# Altium PCB WeatherMonitor.PcbDoc (part 1 of 2) (continued)
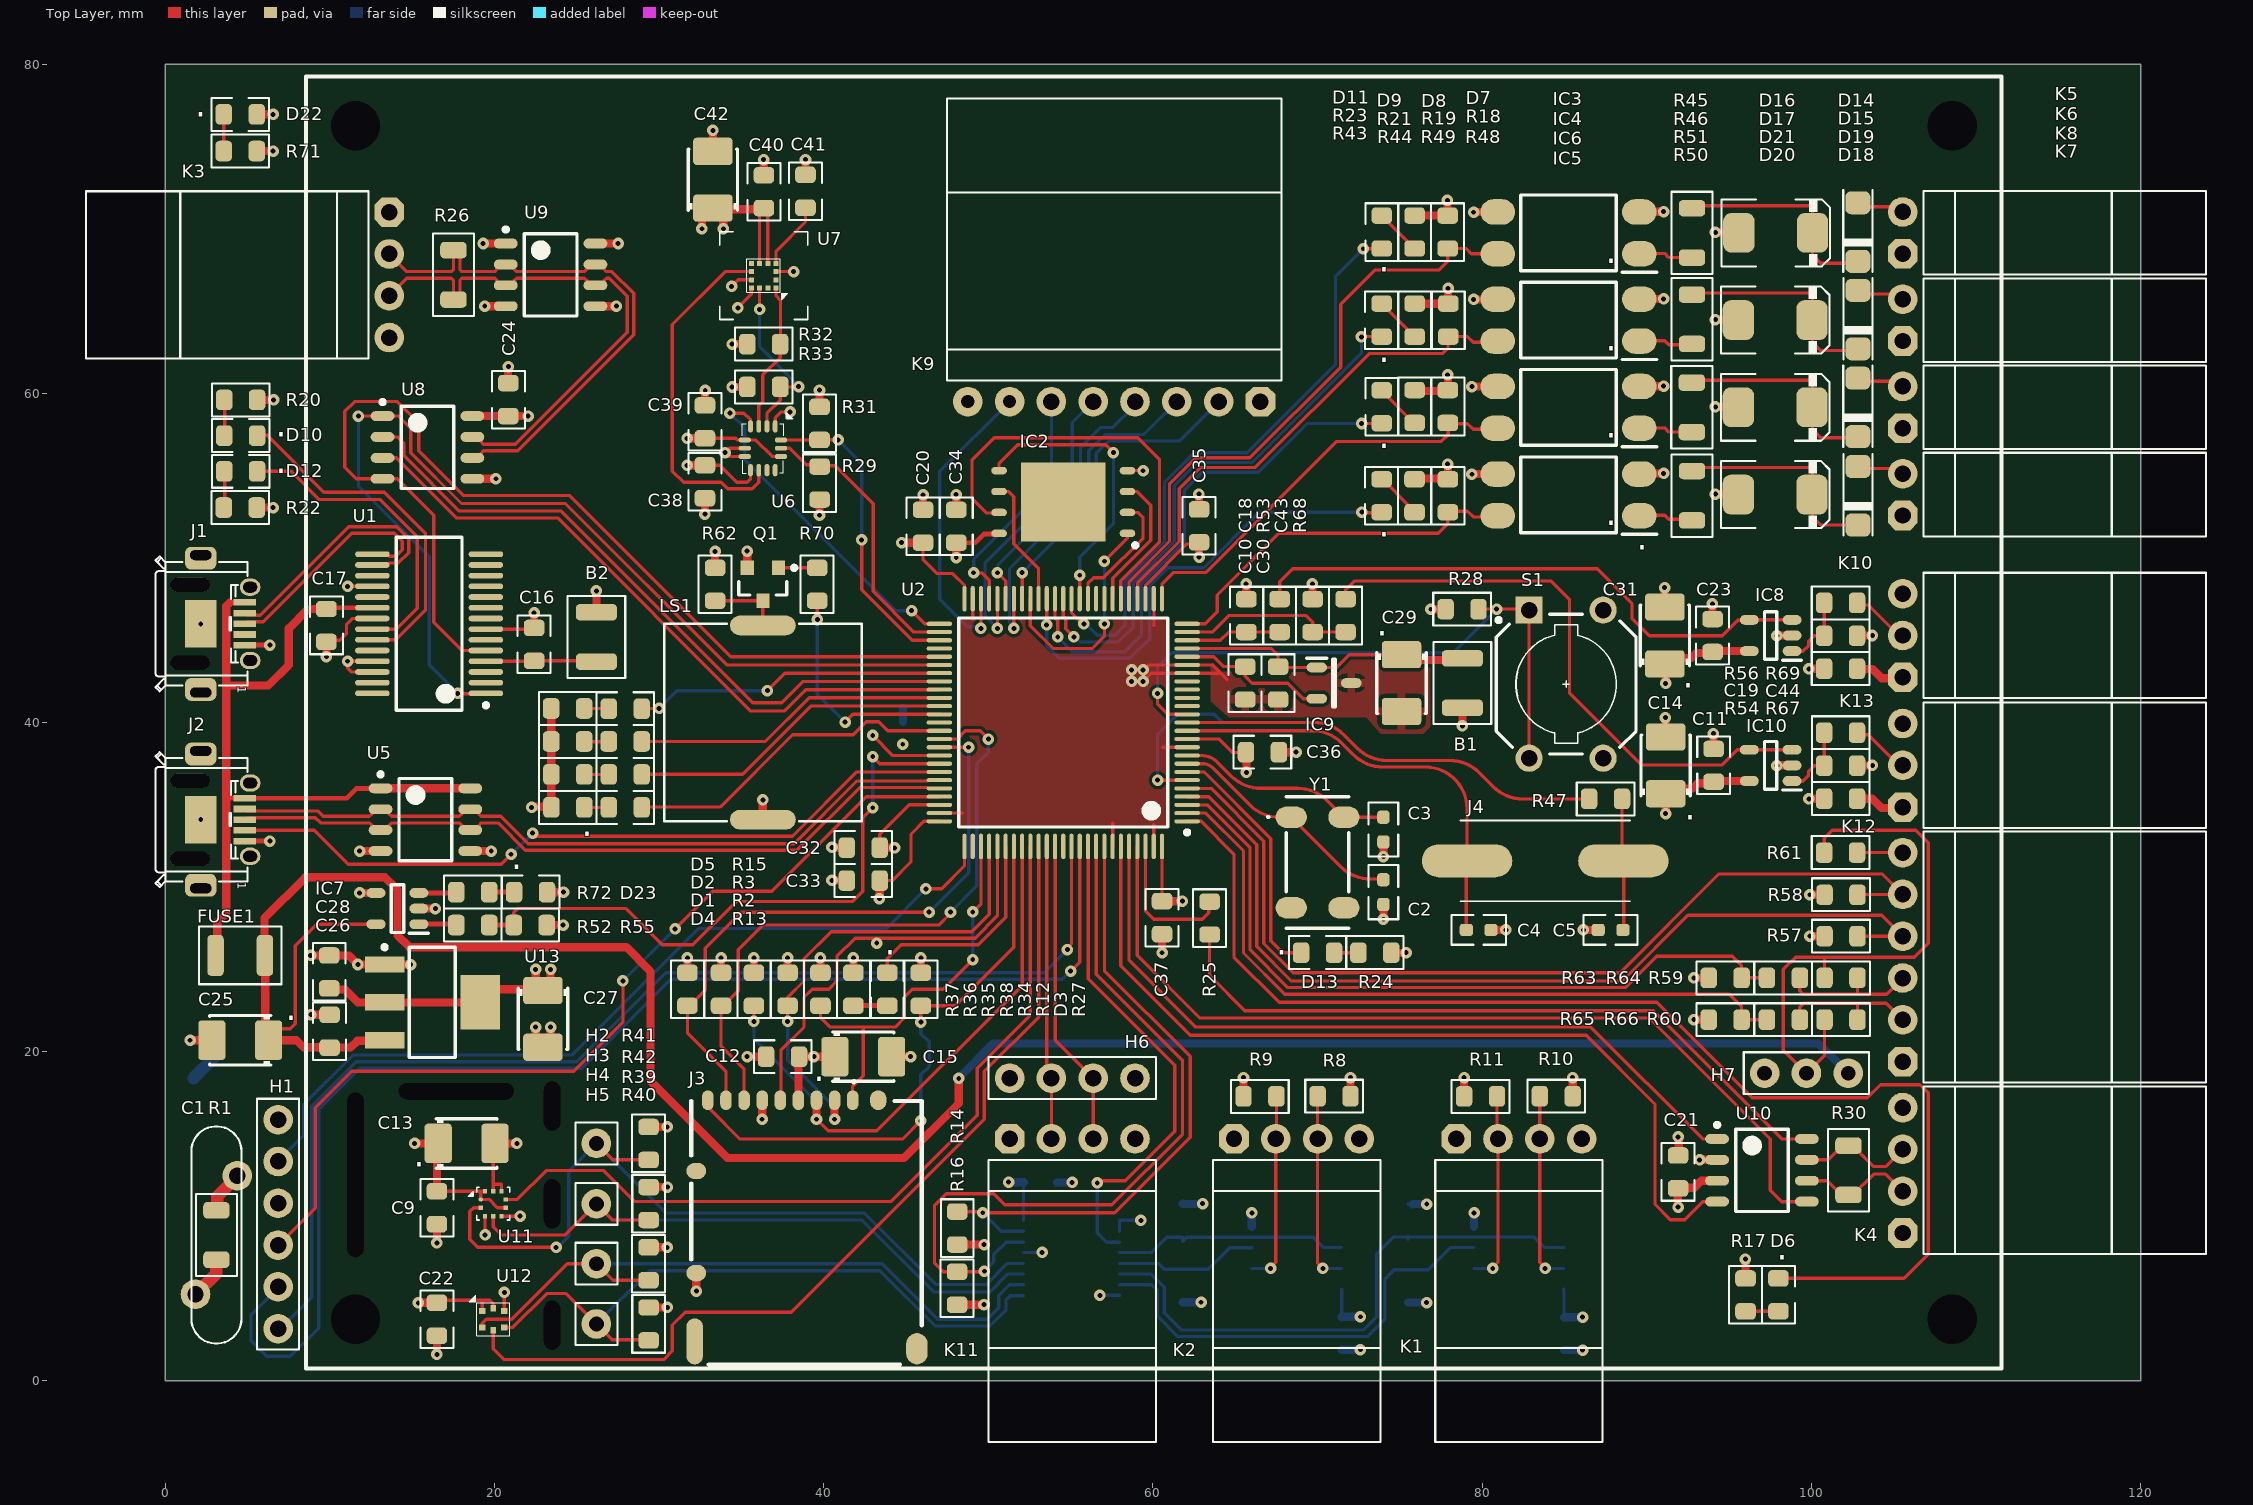
[diagram p0: Top Layer view]
## Design rules (kind name [scope] priority, off if disabled: settings)
Clearance HoleClearens [InPadClass('Hole')] p1: gap=0.2 ignorepadtopadclearanceinfootprint=FALSE except(0: Arc-Hole Track-Hole SMDPad-Hole THPad-Hole Via-Hole Fill-Hole Poly-Hole Region-Hole Text-Hole; 1: THPad-Poly)
Clearance [All] p2: gap=0.2 ignorepadtopadclearanceinfootprint=FALSE except(0: Arc-Hole Track-Hole SMDPad-Hole THPad-Hole Via-Hole Fill-Hole Poly-Hole Region-Hole Text-Hole)
ComponentClearance [All] p1: gap=0 collisioncheckmode=3 verticalgap=0 showdistances=FALSE
DiffPairsRouting DiffPair_AllDiffPairsRouting [All] p1: maxlimit=0.2 minlimit=0.2 mostfreqgap=0.2 toplayer_minwidth=0.2 toplayer_maxwidth=0.2 toplayer_prefwidth=0.2 midlayer1_minwidth=0.2 midlayer1_maxwidth=0.2 midlayer1_prefwidth=0.2 midlayer2_minwidth=0.2 midlayer2_maxwidth=0.2 midlayer2_prefwidth=0.2 bottomlayer_minwidth=0.2 bottomlayer_maxwidth=0.2 bottomlayer_prefwidth=0.2 maxuncoupledlength=12
DiffPairsRouting DiffPairsRouting_1 [(InNet('USB_FS_DM') OR InNet('USB_FS_DP'))] p2 off: maxlimit=0.2 minlimit=0.2 mostfreqgap=0.2 toplayer_minwidth=0.2 toplayer_maxwidth=0.2 toplayer_prefwidth=0.2 midlayer1_minwidth=0.2 midlayer1_maxwidth=0.2 midlayer1_prefwidth=0.2 midlayer2_minwidth=0.2 midlayer2_maxwidth=0.2 midlayer2_prefwidth=0.2 bottomlayer_minwidth=0.2 bottomlayer_maxwidth=0.2 bottomlayer_prefwidth=0.2 maxuncoupledlength=3.5
HoleSize [All] p1: absolutevalues=TRUE maxlimit=5 minlimit=0.025 maxpercent=80.000 minpercent=20.000
MatchedLengths DiffPair_AllMatchedLengths [All] p1: tolerance=3 checknetsindiffpair=TRUE checkdiffpairvsdiffpair=FALSE checkxsignals=FALSE checkothers=FALSE
MatchedLengths D_MatchedLengths [All] p2: tolerance=1 checknetsindiffpair=FALSE checkdiffpairvsdiffpair=TRUE checkxsignals=TRUE checkothers=TRUE
PolygonConnect PadConnect [InPadClass('Hole')] p1: connectstyle=NoConnect reliefconductorwidth=0.254 reliefentries=4 polygonreliefangle="90 Angle" airgapwidth=0.254
PolygonConnect ViaConnect [isVia] p2: connectstyle=Direct reliefconductorwidth=0.254 reliefentries=4 polygonreliefangle="90 Angle" airgapwidth=0.254
PolygonConnect [InComponent('C19') or InComponent('C20')] p3 off: connectstyle=Direct reliefconductorwidth=0.254 reliefentries=4 polygonreliefangle="90 Angle" airgapwidth=0.254
PolygonConnect PolygonConnect_1 [All] p4: connectstyle=Relief reliefconductorwidth=0.5 reliefentries=4 polygonreliefangle="90 Angle" airgapwidth=0.254
RoutingVias [All] p1: holewidth=0.6 width=0.8 viastyle="Through Hole" minholewidth=0.2 minwidth=0.5 maxholewidth=3 maxwidth=5
SilkToSilkClearance [All] p1: silktosilkclearance=0
SolderMaskExpansion [All] p1: expansion=0.102
Width [All] p1: maxlimit=2 minlimit=0.2 preferedwidth=0.5
26 further rules are at their usual default settings.

## Classes and differential pairs
net class USBUART: USB_P
differential pair CAN: +CAN_P -CAN_N
differential pair RS485: +RS485_P -RS485_N
differential pair USB_FS: +USB_FS_P -USB_FS_N
differential pair USB: +USB_P -USB_N

## Components (designator, comment, footprint, x,y, rotation, side; value= is the part's Value field where it differs from the comment)
B1 "10uH" R1210 78.8,42.4 r90 top
B2 "10uH" R1210 26.188,45.2 r270 top
C1 "2.2nF" "C Y2 D13 7.5a" 3.1,8.869 r270 top value="2.2n x 2kV"
C2 "4.3pF" C0603 74,29.7 r90 top
C3 "4.3pF" C0603 74,33.5 r90 top
C4 "20pF" C0603 79.785,27.4 r0 top
C5 "20pF" C0603 87.8,27.4 r180 top
C6 "100n" C0805(2013) 53.17,12.059 r0 bottom
C7 "100n" C0805(2013) 71.47,2.9 r270 bottom
C8 "100n" C0805(2013) 84.97,2.875 r270 bottom
C9 "100n" C0805(2013) 16.5,10.526 r270 top
C10 "10n" C0805(2013) 65.6,42.4 r270 top value=100n
C11 "100n" C0805(2013) 94.066,37.4 r90 top
C12 "100n" C0805(2013) 37.5,19.7 r180 top
C13 "2.2uF" "EL CASE B (3528-21)" 18.3,14.431 r0 top
C14 "2.2uF" "EL CASE B (3528-21)" 91.147,37.4 r90 top
C15 "2.2uF" "EL CASE B (3528-21)" 42.4,19.7 r0 top
C16 "100n" C0805(2013) 22.403,44.75 r90 top
C17 "100n" C0805(2013) 9.782,45.9 r270 top
C18 "100n" C0805(2013) 65.675,46.5 r90 top
C19 "100n" C0805(2013) 101.775,45.275 r0 top value=10n
C20 "100n" C0805(2013) 46.035,51.926 r90 top
C21 "100n" C0805(2013) 91.9,12.7 r90 top
C22 "100n" C0805(2013) 16.5,3.75 r270 top
C23 "100n" C0805(2013) 94,45.29 r90 top
C24 "100n" C0805(2013) 20.838,59.621 r90 top
C25 "4.7uF" "EL CASE B (3528-21)" 4.549,20.701 r180 top
C26 "100n" C0805(2013) 9.973,21.251 r90 top
C27 "2.2uF" "EL CASE B (3528-21)" 22.938,22 r270 top
C28 "100n" C0805(2013) 9.957,24.851 r90 top
C29 "2.2uF" "EL CASE B (3528-21)" 75.1,42.4 r270 top
C30 "100n" C0805(2013) 67.6,42.4 r270 top
C31 "2.2uF" "EL CASE B (3528-21)" 91.1,45.29 r90 top
C32 "100n" C0805(2013) 42.4,32.4 r180 top
C33 "100n" C0805(2013) 42.4,30.4 r180 top
C34 "100n" C0805(2013) 48.05,51.926 r90 top
C35 "100n" C0805(2013) 62.8,51.951 r90 top
C36 "100n" C0805(2013) 66.65,38.2 r0 top
C37 "100n" C0805(2013) 60.55,28.15 r270 top
C38 "100n" C0805(2013) 32.784,54.63 r270 top
C39 "100n" C0805(2013) 32.784,58.269 r90 top
C40 "100n" C0805(2013) 36.365,72.255 r90 top
C41 "100n" C0805(2013) 38.89,72.28 r90 top
C42 "2.2uF" "EL CASE B (3528-21)" 33.265,72.979 r90 top value=1uF
C43 "100n" C0805(2013) 69.7,46.5 r90 top
C44 "100n" C0805(2013) 101.775,37.385 r0 top value=10n
D1 "LED" C0805(2013) 27.939,36.85 r0 top
D2 "LED" C0805(2013) 27.939,38.85 r0 top
D3 "LED" C0805(2013) 43.859,23.799 r90 top
D4 "LED" C0805(2013) 27.939,34.85 r0 top
D5 "LED" C0805(2013) 27.939,40.841 r0 top
D6 "LED" C0805(2013) 98,5.233 r90 top
D7 "LED" C0805(2013) 73.892,53.78 r270 top
D8 "LED" C0805(2013) 73.9,59.185 r270 top
D9 "LED" C0805(2013) 73.892,64.45 r270 top
D10 "LED" C0805(2013) 4.575,57.434 r0 top
D11 "LED" C0805(2013) 73.9,69.8 r270 top
D12 "LED" C0805(2013) 4.575,55.265 r0 top
D13 "LED" C0805(2013) 70.002,26.02 r180 top
D14 "LL4148" SOD80/MLL34 102.824,69.8 r270 top
D15 "LL4148" SOD80/MLL34 102.835,64.48 r270 top
D16 "SMBJ5A" "DO-214AA (SMB)" 97.834,69.75 r0 top
D17 "SMBJ5A" "DO-214AA (SMB)" 97.8,64.45 r0 top
D18 "LL4148" SOD80/MLL34 102.835,53.78 r270 top
D19 "LL4148" SOD80/MLL34 102.824,59.151 r270 top
D20 "SMBJ5A" "DO-214AA (SMB)" 97.8,53.851 r0 top
D21 "SMBJ5A" "DO-214AA (SMB)" 97.8,59.151 r0 top
D22 "LED" C0805(2013) 4.549,76.95 r180 top
D23 "LED" C0805(2013) 22.188,29.7 r180 top
FUSE1 "0.1" R1210 4.549,25.851 r180 top
H1 "H-1x6" J1x6 6.849,9.526 r90 top
H2 "H-1" J1 26.188,14.431 r0 top
H3 "H-1" J1 26.188,10.76 r0 top
H4 "H-1" J1 26.188,7.126 r0 top
H5 "H-1" J1 26.188,3.464 r0 top
H6 "H-1x4" J1x4 55.1,18.4 r0 top
H7 "H-1x3" J1x3 99.7,18.7 r0 top
IC1 "PCA9546APW,118" SOP65P640X110-16N 55.05,7.469 r180 bottom
IC2 "N25Q128A" SON127P800X600X100-9N-D 54.55,53.4 r180 top
IC3 "PC817" SOP254P960X420-4N 85.25,69.75 r180 top
IC4 "PC817" SOP254P960X420-4N 85.25,64.45 r180 top
IC5 "PC817" SOP254P960X420-4N 85.25,53.83 r180 top
IC6 "PC817" SOP254P960X420-4N 85.25,59.151 r180 top
IC7 "STMPS2151" SOT95P280X145-5N 14.1,28.7 r180 top
IC8 "LMV321ILT" SOT95P280X145-5N 97.53,45.29 r180 top
IC9 "REF3025" SOT95P237X112-3N 71,42.4 r0 top
IC10 "LMV321ILT" SOT95P280X145-5N 97.53,37.4 r180 top
J1 "475900001" CON_USBMICROAB_MOLEX_47590-0001_H3 2.15,46 r90 top
J2 "475900001" CON_USBMICROAB_MOLEX_47590-0001_H3 2.15,34.1 r90 top
J3 "DM3AT-SF-PEJM5" DM3AT-SF-PEJM5_1 45.95,17 r0 top
J4 "8MHz" LFXTAL003166Reel 83.832,31.6 r0 top
K1 "WF4S" WF4R 82.232,14.706 r180 top
K2 "WF4S" WF4R 68.732,14.706 r180 top
K3 "WF4S" WF4R 13.603,67.2 r90 top
K4 "WF4S" WF4R 105.55,12.8 r270 top
K5 "WF2R" WF2R 105.55,69.75 r270 top
K6 "WF2R" WF2R 105.55,64.45 r270 top
K7 "WF2R" WF2R 105.55,53.851 r270 top
K8 "WF2R" WF2R 105.55,59.151 r270 top
K9 "WF8R" WF8R 57.64,59.5 r0 top
K10 "WF3R" WF3R 105.55,45.29 r270 top
K11 "WF4S" WF4R 55.1,14.706 r180 top
K12 "WF6R" WF6R 105.55,25.75 r270 top
K13 "WF3R" WF3R 105.55,37.4 r270 top
LS1 "PKLCS1212E4001" PKLCS1212E4001 36.3,40 r270 top
Q1 "BC847" ONSC-SOT-23-3-318-08_V 36.3,48.4 r270 top
R1 "1M" R1206 3.1,8.869 r90 top
R2 "470R" R0805 24.452,36.85 r0 top
R3 "470R" R0805 24.439,38.85 r0 top
R4 "4.7k" R0805 61.791,5.784 r90 bottom
R5 "4.7k" R0805 75.491,5.761 r270 bottom
R6 "4.7k" R0805 61.809,9.771 r270 bottom
R7 "4.7k" R0805 75.5,9.744 r90 bottom
R8 "1k" R0805 71,17.3 r180 top
R9 "1k" R0805 66.5,17.291 r0 top
R10 "1k" R0805 84.5,17.3 r0 top
R11 "1k" R0805 79.9,17.291 r180 top
R12 "470R" R0805 41.8,23.8 r270 top
R13 "470R" R0805 24.452,34.85 r0 top
R14 "4.7k" R0805 48.109,9.289 r90 top
R15 "470R" R0805 24.438,40.856 r0 top
R16 "4.7k" R0805 48.1,5.634 r90 top
R17 "470R" R0805 96,5.228 r270 top
R18 "470R" R0805 75.891,53.78 r270 top
R19 "470R" R0805 75.9,59.201 r270 top
R20 "470R" R0805 4.575,59.6 r0 top
R21 "470R" R0805 75.9,64.45 r270 top
R22 "470R" R0805 4.549,53.065 r0 top
R23 "470R" R0805 75.9,69.8 r270 top
R24 "470R" R0805 73.482,26.02 r180 top
R25 "10k" R0805 63.444,28.125 r270 top
R26 "120R" R1206 17.5,67.2 r90 top value=1k
R27 "1k" R0805 45.9,23.8 r270 top
R28 "4.7k" R0805 78.777,46.885 r180 top value=1k
R29 "4.7k" R0805 39.75,54.55 r270 top
R30 "120R" R1206 102.25,12.8 r270 top value=1k
R31 "4.7k" R0805 39.741,58.175 r90 top
R32 "4.7k" R0805 36.35,62.991 r180 top
R33 "4.7k" R0805 36.351,60.391 r180 top
R34 "47k" R0805 39.8,23.8 r90 top
R35 "47k" R0805 35.759,23.8 r90 top
R36 "47k" R0805 33.759,23.8 r90 top
R37 "47k" R0805 31.716,23.799 r90 top
R38 "47k" R0805 37.8,23.8 r90 top
R39 "4.7k" R0805 29.357,7.119 r90 top
R40 "4.7k" R0805 29.366,3.464 r90 top
R41 "4.7k" R0805 29.357,14.431 r90 top
R42 "4.7k" R0805 29.366,10.776 r90 top
R43 "4.7k" R0805 77.9,69.8 r90 top
R44 "4.7k" R0805 77.943,64.45 r90 top
R45 "470R" R1206 92.75,69.75 r270 top
R46 "470R" R1206 92.75,64.5 r270 top
R47 "0R" R0805 87.497,35.366 r0 top value=1k
R48 "4.7k" R0805 77.919,53.78 r90 top
R49 "4.7k" R0805 77.916,59.201 r90 top
R50 "470R" R1206 92.75,53.78 r270 top
R51 "470R" R1206 92.739,59.151 r270 top
R52 "4.7k" R0805 18.675,27.7 r180 top
R53 "1k" R0805 67.7,46.5 r90 top
R54 "47R" R0805 101.775,43.275 r0 top
R55 "10k" R0805 22.163,27.7 r0 top
R56 "1k" R0805 101.775,47.275 r0 top
R57 "0R" R0805 101.8,27.02 r0 top
R58 "4.7k" R0805 101.8,29.54 r0 top
R59 "2.4k" R0805 101.8,24.489 r0 top
R60 "2.4k" R0805 101.8,21.949 r0 top
R61 "47R" R0805 101.775,32.1 r180 top
R62 "1k" R0805 33.4,48.4 r90 top
R63 "4.7k" R0805 94.76,24.489 r0 top
R64 "2.4k" R0805 98.3,24.489 r180 top
R65 "4.7k" R0805 94.76,21.949 r0 top
R66 "2.4k" R0805 98.3,21.949 r180 top
R67 "47R" R0805 101.775,35.376 r0 top
R68 "1k" R0805 71.7,46.5 r90 top
R69 "1k" R0805 101.775,39.385 r0 top
R70 "1k" R0805 39.6,48.4 r90 top
R71 "470R" R0805 4.549,74.723 r180 top
R72 "470R" R0805 18.675,29.7 r0 top
S1 "BTN" IT-2175 85.1,42.336 r270 top
U1 "FT232R" SSOP-28_N 16.025,46 r180 top
U2 "STM32L475VG" LQFP100_L 54.55,40 r180 top
U3 "P82B715" SOIC-8 82.232,7.469 r0 bottom
U4 "P82B715" SOIC-8 68.732,7.469 r0 bottom
U5 "USB6B1" SOIC-8 15.8,34.1 r0 top
U6 "LSM6DSL" LGA14L-2.5X3X0.86p0.5 36.3,56.716 r270 top
U7 "LIS3MDL" "LGA12 2x2x1mm" 36.351,67.15 r180 top
U8 "SN65HVD11" SOIC-8 15.925,56.716 r0 top
U9 "USB6B1" SOIC-8 23.403,67.2 r0 top
U10 "SN65HVD234D" SOIC-8 97,12.8 r0 top
U11 "LPS22HB" HLGA10L-2X2X0.76 19.92,10.776 r0 top
U12 "HTS221" HLGA6L-2x2x0.9 19.92,3.75 r0 top
U13 "LD1117S33" SOT-223_N 16.22,23.001 r0 top
U14 "1058" 1058 54.5,40.05 r180 bottom
Y1 "32.768KHZ" ABS25 70,31.5 r270 top

## Footprints (in the part's own frame and the unit in brackets; to place one, negate y for a bottom-side part, rotate by r counter-clockwise, add the part's x,y. Pads: shape width x height; smd on the part's side, far side on the other; paste and mask are expansions set on the pad)
1058 [mm]
  oval 2.54x3.51 smd: 1(-9.68,0) 2(9.68,0)
  silkscreen extent -14.2,-8 14.2,8
ABS25 [mm]
  oval 1.3x1.9 smd: 1(-2.75,-1.6) 2(2.75,-1.6) 3(2.75,1.6) 4(-2.75,1.6)
  silkscreen extent -4,-3.03 4,1.9
C0603 [mm] "(1608) Metric"
  rrect50% 0.8x0.75 smd: 1(-0.75,0) 2(0.75,0)
  silkscreen extent -1.65,-0.9 1.65,0.9, body extent -0.8,-0.4 0.8,0.4, height 0.3
C0805(2013) [mm]
  rrect50% 1x1.25 smd: 1(-1,0) 2(1,0)
  silkscreen extent -1.75,-1 1.75,1, body extent -0.97,-0.61 1.03,0.64, height 0.73
"C Y2 D13 7.5a" [mm]
  round 1.8 hole 1: 1(-3.6,1.27) 2(3.6,-1.27)
  silkscreen extent -6.6,-1.52 6.6,1.52
CON_USBMICROAB_MOLEX_47590-0001_H3 [mm] "CON_USBMICROAB_MOLEX_47590-0001_H3"
  rect 0.4x1.35 smd mask+0.05: 1(1.3,-2.675) 2(0.65,-2.675) 3(0,-2.675) 4(-0.65,-2.675) 5(-1.3,-2.675)
  oval 1.05x1.25 hole 0.65 slot 0.85 at 90 deg mask+0.05: 6(2.225,-3) 7(-2.225,-3)
  rrect50% 1.375x1.9 hole 0.6 slot 1.3 at 90 deg copper offset -0.188,0 mask+0.05: 8(4.175,0)
  rrect50% 1.375x1.9 hole 0.6 slot 1.3 at 90 deg copper offset 0.188,0 mask+0.05: 9(-4.175,0)
  rect 2.9x1.9 smd mask+0.05: 10(0,0)
  oval 0.85x2.425 hole 0.85 slot 2.425 at 90 deg unplated mask+0.1: 11(2.375,0.65) 12(-2.375,0.65)
  silkscreen extent -4.1,-2.85 4.1,2.75, body extent -4.33,-3.15 4.32,2.81, height 3
DM3AT-SF-PEJM5_1 [mm]
  oval 0.7x1.2 smd: 1(-4.191,0.057) 2(-5.291,0.057) 3(-6.391,0.057) 4(-7.491,0.057) 5(-8.591,0.057) 6(-9.691,0.057) 7(-10.791,0.057) 8(-11.891,0.057) 10(-12.991,0.057)
  oval 1.2x1 smd: 9(-13.691,-10.443) 12(-13.691,-4.243)
  oval 1x1.2 smd: 11(-2.641,0.057)
  oval 1x2.8 smd: 13(-13.791,-14.593)
  oval 1.3x1.9 smd: 14(-0.291,-15.043)
  silkscreen extent -14,-16 0,1.25, body extent -13.97,-16.08 -0.12,0.07, height 1.68
"DO-214AA (SMB)" [mil] "DO-214-AA/SMB; 2 C-Bend Leads; Body 5.3 x 3.6 mm, inc. leads (LxW)"
  rrect50% 75x95 smd: 1(-88,0) 2(88,0)
  silkscreen extent -130,-80 130,80, body extent -104,-73 104,73, height 87
"EL CASE B (3528-21)" [mm] "Capacitor, SM Tantalum; Body 3.5 x 2.8 mm (LxW typ)"
  rrect25% 1.65x2.4 smd: 1(-1.725,0) 2(1.725,0)
  silkscreen extent -1.85,-1.5 1.85,1.5, body extent -1.75,-1.4 1.75,1.4, height 1.91
HLGA6L-2x2x0.9 [mm] "HLGA6L 2x2x0.9mm pitch1mm"
  rect 0.4x0.35 smd mask+0.05: 1(-0.675,0.5) 2(-0.675,-0.5) 4(0.675,-0.5) 5(0.675,0.5)
  rect 0.35x0.4 smd mask+0.05: 3(0,-0.675) 6(0,0.675)
  silkscreen extent -1.45,-1.02 1.02,1.46, body extent -1.02,-1.02 1.02,1.02, height 1
HLGA10L-2X2X0.76 [mm] "Name Type Description Vault Item Revision Revision Status    HLGA10L-2X2X0.76 Footprint HLGA-10L 2x2x0.76mm pitch 0.5mm"
  oct 0.275x0.25 smd paste+0 mask+0.05: 1(-0.763,0.25)
  rect 0.275x0.25 smd paste+0 mask+0.05: 2(-0.763,-0.25) 6(0.762,-0.25) 7(0.762,0.25)
  rect 0.25x0.275 smd paste+0 mask+0.05: 3(-0.5,-0.763) 4(0,-0.763) 5(0.5,-0.763) 8(0.5,0.762) 9(0,0.762) 10(-0.5,0.762)
  silkscreen extent -1.5,-1 1,1, body extent -1.02,-1.02 1.02,1.02, height 0.77
IT-2175 [mm] "Switch, Push Button, Thru-Hole; 4 Leads; Body 8.5 x 8.5 mm (LxW typ); Row Spacing 9.0 mm; Pitch 4.5 mm"
  rect 1.65x1.65 hole 1: 1(-4.5,-2.25)
  round 1.65 hole 1: 2(4.5,-2.25) 3(-4.5,2.25) 4(4.5,2.25)
  silkscreen extent -4.25,-4.25 4.25,4.25
J1 [mm]
  round 1.8 hole 0.9: 1(0,0)
  silkscreen extent -1.27,-1.27 1.27,1.27, body extent -1.27,-1.27 1.27,1.27, height 10.1
J1x3 [mm]
  round 1.8 hole 0.9: 1(-2.54,0) 2(0,0) 3(2.54,0)
  silkscreen extent -3.81,-1.27 3.81,1.27, body extent -3.81,-1.27 3.81,1.27, height 10.1
J1x4 [mm]
  round 1.8 hole 1: 1(-3.81,0) 2(-1.27,0) 3(1.27,0) 4(3.81,0)
  silkscreen extent -5.08,-1.27 5.08,1.27, body extent -5.08,-1.27 5.08,1.27, height 10.1
J1x6 [mm]
  round 1.8 hole 1: 1(-6.35,0) 2(-3.81,0) 3(-1.27,0) 4(1.27,0) 5(3.81,0) 6(6.35,0)
  silkscreen extent -7.62,-1.27 7.62,1.27, body extent -7.62,-1.27 7.62,1.27, height 10.1
LFXTAL003166Reel [mm]
  oval 5.5x2 smd: 1(-4.75,0) 2(4.75,0)
  silkscreen extent -5.15,-2.45 5.15,2.45, body extent -7.3,-2.45 7.3,2.45, height 4.4
"LGA12 2x2x1mm" [mm] "LGA12 2x2x1mm"
  rect 0.3x0.3 smd mask+0.05: 1(-0.75,0.75) 2(-0.75,0.25) 3(-0.75,-0.25) 4(-0.75,-0.75) 5(-0.25,-0.75) 6(0.25,-0.75) 7(0.75,-0.75) 8(0.75,-0.25) 9(0.75,0.25) 10(0.75,0.75) 11(0.25,0.75) 12(-0.25,0.75)
  silkscreen extent -2.67,-2.67 2.67,2.67, body extent -1.02,-1.02 1.02,1.02, height 1.1
LGA14L-2.5X3X0.86p0.5 [mm] "LGA14 2.5x3x0.86mm pitch0.5mm"
  oval 0.75x0.3 smd mask+0.05: 1(-1.279,0.75) 2(-1.279,0.25) 3(-1.279,-0.25) 4(-1.279,-0.75) 8(1.381,-0.75) 9(1.381,-0.25) 10(1.381,0.25) 11(1.381,0.75)
  oval 0.3x0.75 smd mask+0.05: 5(-0.449,-1.1) 6(0.051,-1.1) 7(0.551,-1.1) 12(0.551,1.1) 13(0.051,1.1) 14(-0.449,1.1)
  silkscreen extent -2.11,-1.25 1.57,1.8, body extent -1.47,-1.27 1.57,1.27, height 0.9
LQFP100_L [mm] "Thin QFP, 100-Leads, Body 14x14mm, Pitch 0.5mm, IPC High Density"
  oval 1.55x0.25 smd: 1(-7.525,6) 2(-7.525,5.5) 3(-7.525,5) 4(-7.525,4.5) 5(-7.525,4) 6(-7.525,3.5) 7(-7.525,3) 8(-7.525,2.5) 9(-7.525,2) 10(-7.525,1.5) 11(-7.525,1) 12(-7.525,0.5) 13(-7.525,0) 14(-7.525,-0.5) 15(-7.525,-1) 16(-7.525,-1.5) 17(-7.525,-2) 18(-7.525,-2.5) 19(-7.525,-3) 20(-7.525,-3.5) 21(-7.525,-4) 22(-7.525,-4.5) 23(-7.525,-5) 24(-7.525,-5.5) 25(-7.525,-6) 51(7.525,-6) 52(7.525,-5.5) 53(7.525,-5) 54(7.525,-4.5) 55(7.525,-4) 56(7.525,-3.5) 57(7.525,-3) 58(7.525,-2.5) 59(7.525,-2) 60(7.525,-1.5) 61(7.525,-1) 62(7.525,-0.5) 63(7.525,0) 64(7.525,0.5) 65(7.525,1) 66(7.525,1.5) 67(7.525,2) 68(7.525,2.5) 69(7.525,3) 70(7.525,3.5) 71(7.525,4) 72(7.525,4.5) 73(7.525,5) 74(7.525,5.5) 75(7.525,6)
  oval 0.25x1.55 smd: 26(-6,-7.525) 27(-5.5,-7.525) 28(-5,-7.525) 29(-4.5,-7.525) 30(-4,-7.525) 31(-3.5,-7.525) 32(-3,-7.525) 33(-2.5,-7.525) 34(-2,-7.525) 35(-1.5,-7.525) 36(-1,-7.525) 37(-0.5,-7.525) 38(0,-7.525) 39(0.5,-7.525) 40(1,-7.525) 41(1.5,-7.525) 42(2,-7.525) 43(2.5,-7.525) 44(3,-7.525) 45(3.5,-7.525) 46(4,-7.525) 47(4.5,-7.525) 48(5,-7.525) 49(5.5,-7.525) 50(6,-7.525) 76(6,7.525) 77(5.5,7.525) 78(5,7.525) 79(4.5,7.525) 80(4,7.525) 81(3.5,7.525) 82(3,7.525) 83(2.5,7.525) 84(2,7.525) 85(1.5,7.525) 86(1,7.525) 87(0.5,7.525) 88(0,7.525) 89(-0.5,7.525) 90(-1,7.525) 91(-1.5,7.525) 92(-2,7.525) 93(-2.5,7.525) 94(-3,7.525) 95(-3.5,7.525) 96(-4,7.525) 97(-4.5,7.525) 98(-5,7.525) 99(-5.5,7.525) 100(-6,7.525)
  silkscreen extent -7.65,-6.35 6.35,6.8, body extent -7,-7 7,7, height 1.6
ONSC-SOT-23-3-318-08_V [mm] "SOT23, 3-Leads, Body 2.92x1.3mm, Pitch 0.95mm"
  rect 0.9x0.8 smd: 1(-1,0.95) 2(-1,-0.95) 3(1,0)
  silkscreen extent -1.12,-1.46 0.65,2.03, body extent -0.65,-1.46 0.65,1.46, height 1.11
PKLCS1212E4001 [mm]
  oval 1.2x4 smd: 1(-5.9,0) 2(5.9,0)
  silkscreen extent -6,-6 6,6
R0805 [mm]
  rrect50% 1x1.25 smd: 1(-1,0) 2(1,0)
  silkscreen extent -1.75,-1 1.75,1, body extent -1,-0.63 1,0.62, height 0.6
R1206 [mm]
  rrect50% 1x1.6 smd: 1(-1.5,0) 2(1.5,0)
  silkscreen extent -2.5,-1.25 2.5,1.25, body extent -1.65,-0.81 1.55,0.79, height 0.6
R1210 [mm]
  rrect50% 1x2.5 smd: 1(-1.5,0) 2(1.5,0)
  silkscreen extent -2.5,-1.75 2.5,1.75, body extent -1.6,-1.25 1.6,1.25, height 0.6
SOD80/MLL34 [mil]
  rrect50% 55x60 smd: 1(-70,0) 2(70,0)
  silkscreen extent -100,-35 95,35, body extent -69,-28 69,27, height 55
SOIC-8 [mm]
  oval 1.45x0.6 smd: 1(-2.725,1.905) 2(-2.725,0.635) 3(-2.725,-0.635) 4(-2.725,-1.905) 5(2.725,-1.905) 6(2.725,-0.635) 7(2.725,0.635) 8(2.725,1.905)